# Allegro board 8880F5-0825_4.brd (continued)
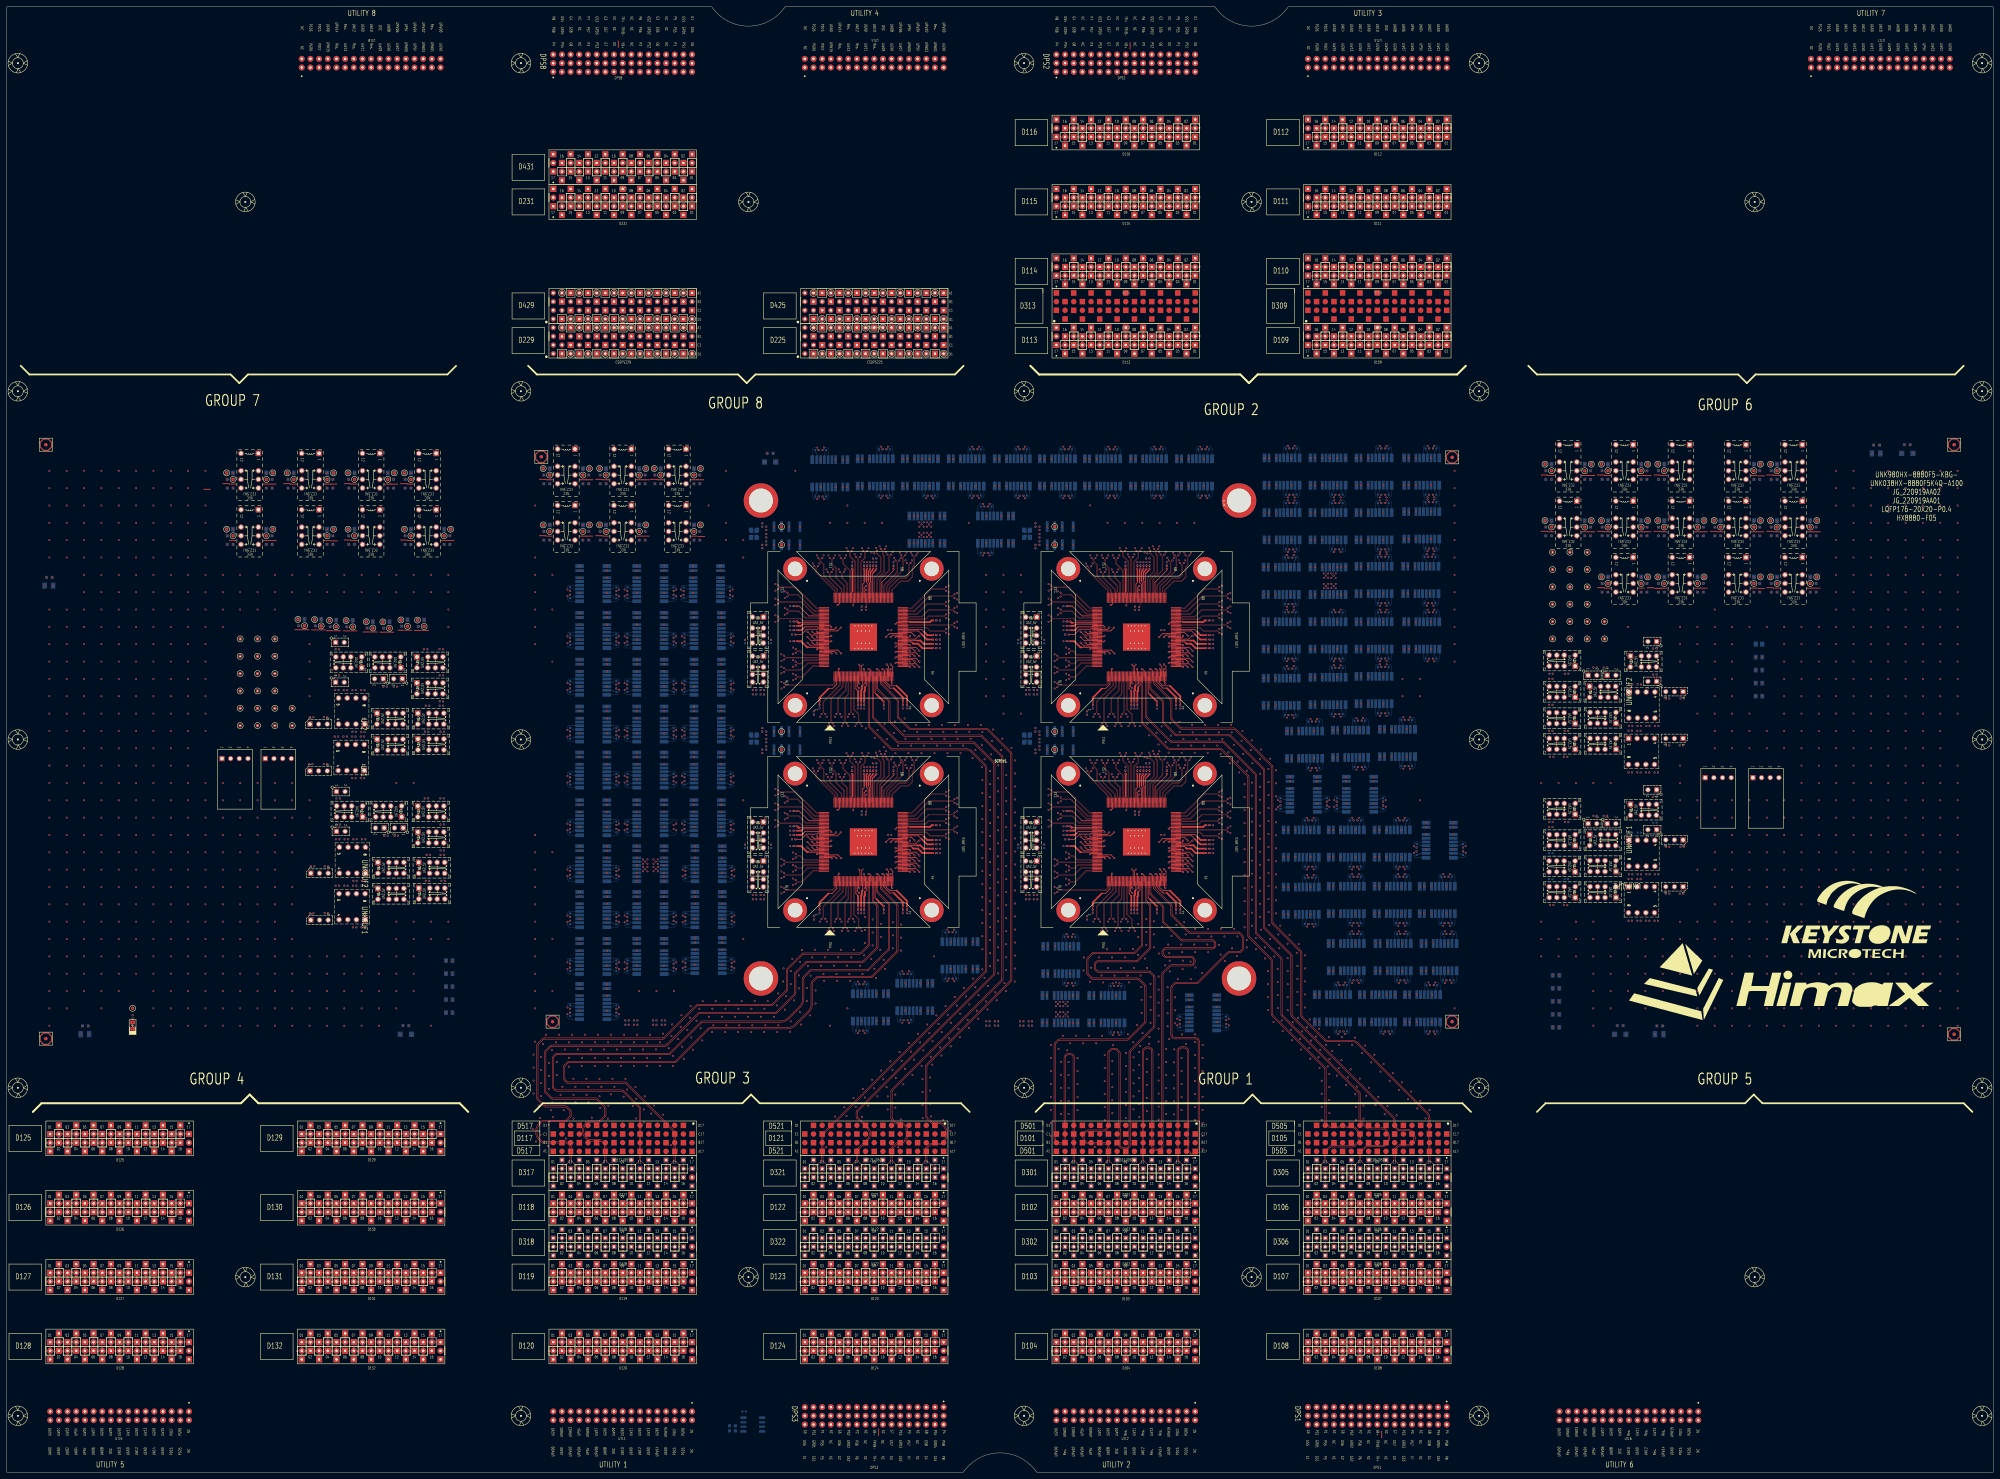
[diagram p0: board, top side]
## Routing (per net, layer and track width the routed paths; a pad name or vN(x,y) marks a point on that pad's centre or on a via; arc(x,y) is an arc through that point) (continued)
S2_ISP00-: length 15.9
  TOP w0.086: SITE2.74 343.98,247.63 344.06,247.55 349.41,247.55 350.39,246.57 354.62,246.57 v1(355.08,247.02)
  BOTTOM w0.119: v1(386.29,262.63) UNK2K43.2
S2_ISP14+: length 14.5
  TOP w0.086: SITE2.112 330.23,257.78 330.15,257.86 330.15,266.59 331.48,267.92 331.48,269.45 v1(331.93,269.9)
  vias: v1(390.69,257.11)
S2_ISP14-: length 14.5
  TOP w0.086: SITE2.113 329.83,257.78 329.91,257.86 329.91,266.69 331.24,268.02 331.24,269.45 v1(330.79,269.9)
  vias: v1(390.69,265.11)
S2_ISP_1LOCK:
  vias: v1(309.91,245.39)
S2_M_DPS_F_001: length 45.2
  TOP w0.231: 340.57,230.37 338.54,230.37 337.43,231.49 SITE2.39 ; SITE2.147 313.7,247.63 313.24,247.18 ; 346.49,243.63 SITE2.64 ; SITE2.104 333.43,263.21 ; 330.63,230.54 SITE2.22
  TOP w0.381: v1(334.61,264.54) 334.61,264.39 333.43,263.21
  TOP w0.508: 313.24,247.18 312.72,246.66 v1(311.44,246.66) ; v1(330.17,225.75) 330.17,228.96 330.38,229.17 330.38,230.28 330.63,230.54 ; 346.49,243.63 347.49,243.63 348.48,242.64 v1(351.22,242.64) ; 340.57,230.37 343.63,227.31 v1(343.63,225.75)
  vias: v1(309.4,246.66) v1(330.17,223.71) v1(334.61,266.58) v1(343.63,223.71) v1(353.27,242.64) v1(485.35,295.27) v1(485.35,293.37)
S2_OLVRX_100DCH001+: length 307.2
  TOP w0.086: SITE2.168 317.68,239.23 317.6,239.31 313.35,239.31 312.18,240.48 311.43,240.48 v1(310.98,240.03)
  L03_SIGNAL w0.071: v1(403.63,235.9) 403.22,235.9 403.15,235.83 403.15,234.96 403.44,234.67 404.82,234.67 405.38,235.22 405.38,238.63 414.01,247.27 416.67,247.27 441.71,272.31 441.71,330.85 430.85,341.71 411.64,341.71 409.06,339.13 409.06,335.16 411.48,332.74
  L28_SIGNAL w0.071: v1(310.98,240.03) 310.98,240.43 311.05,240.51 315.4,240.51 316.46,239.45 317.98,239.45 319.1,240.56 319.1,248.3 322.15,251.35 348.4,251.35 353.82,256.77 355.88,256.77 362.99,263.88 395.96,263.88 401.16,258.69 401.16,234.53 401.73,233.95 402.72,233.95 403.15,234.38 403.15,235.83 403.22,235.9 v1(403.63,235.9)
S2_OLVRX_100DCH001-: length 308.2
  TOP w0.086: v1(310.98,241.18) 311.43,240.72 312.28,240.72 313.45,239.55 317.6,239.55 317.68,239.63 SITE2.167
  L03_SIGNAL w0.071: v1(402.48,235.9) 402.88,235.9 402.95,235.83 402.95,234.87 403.36,234.47 404.9,234.47 405.58,235.14 405.58,238.55 414.1,247.07 416.75,247.07 441.91,272.23 441.91,330.93 430.93,341.91 411.55,341.91 408.86,339.22 408.86,335.2 406.4,332.74
  L28_SIGNAL w0.071: v1(402.48,235.9) 402.88,235.9 402.95,235.83 402.95,234.46 402.64,234.15 401.82,234.15 401.35,234.61 401.35,258.77 396.04,264.08 362.91,264.08 355.8,256.97 353.74,256.97 348.32,251.55 322.07,251.55 318.9,248.38 318.9,240.64 317.9,239.64 316.54,239.64 315.48,240.7 311.05,240.7 310.98,240.77 v1(310.98,241.18)
S2_OLVRX_100DCH002+: length 329
  TOP w0.086: v1(307.59,238.06) 308.05,238.51 317.6,238.51 317.68,238.43 SITE2.170
  L03_SIGNAL w0.071: 419.1,350.52 416.79,348.21 416.79,346.3 417.92,345.17 431.56,345.17 444.39,332.34 444.39,271.3 407.64,234.55 407.64,227.97 403.15,223.49 403.15,222.39 403.22,222.31 v1(403.63,222.31)
  L28_SIGNAL w0.071: v1(403.63,222.31) 403.22,222.31 403.15,222.24 403.15,220.94 402.49,220.28 401.39,220.28 400.17,221.5 400.17,257.48 396.59,261.06 366.56,261.06 360.06,254.55 357.37,254.55 356.1,255.83 354.27,255.83 348.8,250.36 322.8,250.36 320.18,247.73 320.18,240.04 318.66,238.53 307.67,238.53 307.59,238.46 v1(307.59,238.06)
S2_OLVRX_100DCH002-: length 328.8
  TOP w0.086: SITE2.169 317.68,238.83 317.6,238.75 308.05,238.75 v1(307.59,239.2)
  L03_SIGNAL w0.071: v1(402.48,222.31) 402.88,222.31 402.95,222.39 402.95,223.57 407.44,228.05 407.44,234.63 444.19,271.38 444.19,332.26 431.48,344.97 417.83,344.97 416.59,346.22 416.59,347.95 414.02,350.52
  L28_SIGNAL w0.071: v1(307.59,239.2) 307.59,238.8 307.67,238.73 318.58,238.73 319.98,240.13 319.98,247.81 322.72,250.56 348.71,250.56 354.19,256.03 356.18,256.03 357.45,254.75 359.98,254.75 366.48,261.26 396.67,261.26 400.37,257.56 400.37,221.59 401.47,220.48 402.41,220.48 402.95,221.02 402.95,222.24 402.88,222.31 v1(402.48,222.31)
S2_OLVRX_100DCH003+: length 355.6
  TOP w0.086: SITE2.172 317.68,237.63 317.6,237.71 313.62,237.71 312.68,236.77 311.43,236.77 v1(310.98,236.32)
  L03_SIGNAL w0.071: 401.32,332.74 398.89,335.17 398.89,338.54 395.9,341.54 377.38,341.54 374.36,338.52 374.36,315.23 379.79,309.8 379.79,219.15 381.01,217.94 382.04,217.94 382.83,218.73 382.83,219.83 382.9,219.9 v1(383.31,219.9)
  L28_SIGNAL w0.071: v1(383.31,219.9) 382.9,219.9 382.83,219.83 382.83,218.62 386.49,214.97 386.49,205.2 390.26,201.43 395.53,201.43 399.18,205.08 399.18,252.01 393.21,257.98 366.48,257.98 359.19,250.69 356.9,250.69 356.46,251.13 356.46,252.01 356.07,252.4 352.24,252.4 349.29,249.46 327.88,249.46 325.63,247.2 325.63,239.45 322.97,236.79 311.05,236.79 310.98,236.72 v1(310.98,236.32)
S2_OLVRX_100DCH003-: length 355.2
  TOP w0.086: SITE2.171 317.68,238.03 317.6,237.95 313.52,237.95 312.58,237.01 311.43,237.01 v1(310.98,237.46)
  L03_SIGNAL w0.071: 396.24,332.74 398.69,335.19 398.69,338.46 395.81,341.34 377.47,341.34 374.56,338.44 374.56,315.31 379.99,309.88 379.99,219.24 381.09,218.14 381.96,218.14 382.63,218.81 382.63,219.83 382.56,219.9 v1(382.16,219.9)
  L28_SIGNAL w0.071: v1(382.16,219.9) 382.56,219.9 382.63,219.83 382.63,218.54 386.29,214.88 386.29,205.12 390.18,201.23 395.61,201.23 399.37,204.99 399.37,252.1 393.29,258.18 366.4,258.18 359.11,250.89 356.98,250.89 356.66,251.21 356.66,252.09 356.15,252.6 352.16,252.6 349.21,249.65 327.8,249.65 325.43,247.28 325.43,239.53 322.89,236.99 311.05,236.99 310.98,237.06 v1(310.98,237.46)
S2_OLVRX_100DCH004+: length 388
  TOP w0.086: SITE2.174 317.68,236.83 317.6,236.91 314.63,236.91 312.6,234.88 308.05,234.88 v1(307.59,234.42)
  L03_SIGNAL w0.071: 421.64,353.06 419.15,355.55 419.15,357.74 422.76,361.34 430.34,361.34 447.17,344.51 447.17,239.26 412.69,204.78 396.97,204.78 396.3,205.46 396.3,206.49 396.37,206.57 v1(396.77,206.57)
  L28_SIGNAL w0.071: v1(307.59,234.42) 307.59,234.83 307.67,234.9 321.92,234.9 322.7,234.12 324.62,234.12 327.11,236.6 327.11,243.56 328.96,245.41 334.67,245.41 337.13,247.87 339.25,247.87 340.14,246.99 347.55,246.99 349.01,248.45 355.6,248.45 356.94,249.79 362.84,249.79 368.43,255.38 392.87,255.38 397.93,250.32 397.93,214.02 393.57,209.67 393.57,204.06 394.05,203.59 395.67,203.59 396.3,204.21 396.3,206.49 396.37,206.57 v1(396.77,206.57)
S2_OLVRX_100DCH004-: length 389
  TOP w0.086: SITE2.173 317.68,237.23 317.6,237.15 314.53,237.15 312.5,235.12 308.05,235.12 v1(307.59,235.57)
  L03_SIGNAL w0.071: v1(395.62,206.57) 396.03,206.57 396.1,206.49 396.1,205.37 396.88,204.59 412.78,204.59 447.37,239.18 447.37,344.6 430.42,361.54 422.68,361.54 418.96,357.82 418.96,355.46 416.56,353.06
  L28_SIGNAL w0.071: v1(395.62,206.57) 396.03,206.57 396.1,206.49 396.1,204.29 395.59,203.79 394.13,203.79 393.77,204.14 393.77,209.59 398.13,213.94 398.13,250.41 392.96,255.58 368.35,255.58 362.75,249.99 356.86,249.99 355.52,248.65 348.93,248.65 347.47,247.18 340.22,247.18 339.34,248.07 337.05,248.07 334.59,245.61 328.88,245.61 326.91,243.64 326.91,236.69 324.54,234.32 322.79,234.32 322.01,235.1 307.67,235.1 307.59,235.17 v1(307.59,235.57)
S2_OLVRX_100DCH005+: length 253.9
  TOP w0.086: v1(310.98,232.38) 311.43,232.83 312.94,232.83 316.22,236.11 317.6,236.11 317.68,236.03 SITE2.176
  L03_SIGNAL w0.071: v1(383.31,206.31) 382.9,206.31 382.83,206.38 382.83,207.22 387.68,212.07 387.68,226.81 397.74,236.88 397.74,257.5 415.51,275.26 415.51,302.9 406.52,311.89 406.52,327.78 408.94,330.2
  L28_SIGNAL w0.071: v1(310.98,232.38) 310.98,232.78 310.91,232.85 306.28,232.85 305.12,231.69 305.12,222.51 315.23,212.4 341.8,212.4 342.4,211.81 362.9,211.81 366.73,207.97 382.25,207.97 382.83,207.38 382.83,206.38 382.9,206.31 v1(383.31,206.31)
S2_OLVRX_100DCH005-: length 254.3
  TOP w0.086: v1(310.98,233.52) 311.43,233.07 312.84,233.07 316.12,236.35 317.6,236.35 317.68,236.43 SITE2.175
  L03_SIGNAL w0.071: 403.86,330.2 406.32,327.74 406.32,311.81 415.31,302.82 415.31,275.34 397.55,257.58 397.55,236.96 387.48,226.89 387.48,212.15 382.63,207.3 382.63,206.38 382.56,206.31 v1(382.16,206.31)
  L28_SIGNAL w0.071: v1(382.16,206.31) 382.56,206.31 382.63,206.38 382.63,207.3 382.16,207.77 366.65,207.77 362.82,211.61 342.31,211.61 341.72,212.2 315.14,212.2 304.92,222.43 304.92,231.77 306.2,233.05 310.91,233.05 310.98,233.12 v1(310.98,233.52)
S2_OLVRX_100DCH006+: length 315.1
  TOP w0.086: v1(307.59,229.94) 308.05,230.39 321.9,230.39 322.55,231.04 322.55,231.4 322.63,231.48 SITE2.2
  L03_SIGNAL w0.071: v1(396.77,220.15) 396.37,220.15 396.3,220.08 396.3,219.31 396.79,218.82 398.55,218.82 400.47,220.74 400.47,243.37 418.46,261.37 424.08,261.37 438.94,276.23 438.94,326.34 426.54,338.75 420.77,338.75 419.25,337.22 419.25,335.13 421.64,332.74
  L28_SIGNAL w0.071: v1(307.59,229.94) 307.59,230.34 307.67,230.41 322.72,230.41 326.16,233.86 350.65,233.86 363.38,246.59 376.61,246.59 383.97,253.95 392.23,253.95 393.34,252.84 393.34,219.39 394.66,218.07 395.46,218.07 396.3,218.9 396.3,220.08 396.37,220.15 v1(396.77,220.15)
S2_OLVRX_100DCH006-: length 315.7
  TOP w0.086: SITE2.1 322.23,231.48 322.31,231.4 322.31,231.14 321.8,230.63 308.05,230.63 v1(307.59,231.08)
  L03_SIGNAL w0.071: v1(395.62,220.15) 396.03,220.15 396.1,220.08 396.1,219.23 396.71,218.62 398.63,218.62 400.66,220.65 400.66,243.29 418.55,261.17 424.16,261.17 439.14,276.15 439.14,326.42 426.62,338.94 420.69,338.94 419.05,337.31 419.05,335.23 416.56,332.74
  L28_SIGNAL w0.071: v1(307.59,231.08) 307.59,230.68 307.67,230.61 322.63,230.61 326.08,234.06 350.57,234.06 363.3,246.79 376.53,246.79 383.89,254.15 392.31,254.15 393.54,252.92 393.54,219.47 394.74,218.26 395.38,218.26 396.1,218.98 396.1,220.08 396.03,220.15 v1(395.62,220.15)
S2_PS9G_DCH001: length 3.7
  TOP w0.231: SITE2.18 329.03,230.23 v1(329.63,229.63)
S2_PS9G_DCH002: length 2.2
  TOP w0.231: SITE2.19 329.43,231.23 v1(329.63,231.03)
S2_PS9G_DCH003: length 2.2
  TOP w0.231: SITE2.24 331.43,231.23 v1(331.23,231.03)
S2_PS9G_DCH004: length 2.2
  TOP w0.231: SITE2.40 337.83,235.03 v1(337.63,235.23)
S2_PS9G_DCH005: length 2.2
  TOP w0.231: SITE2.45 344.23,236.03 v1(344.43,235.83)
S2_PS9G_DCH006: length 3.7
  TOP w0.231: SITE2.46 345.23,236.43 v1(345.83,235.83)
S2_PS9G_DCH007: length 5.3
  TOP w0.231: v1(347.22,235.83) 346.22,236.83 SITE2.47
S2_PS9G_DCH009: length 2.2
  TOP w0.231: v1(344.43,237.43) 344.23,237.63 SITE2.49
S2_PS9G_DCH010: length 3.7
  TOP w0.231: v1(345.83,237.43) 345.23,238.03 SITE2.50
S2_PS9G_DCH011: length 5.3
  TOP w0.231: v1(347.22,237.43) 346.22,238.43 SITE2.51
S2_PS9G_DCH014: length 3.7
  TOP w0.231: v1(345.83,239.03) 345.23,239.63 SITE2.54
S2_PS9G_DCH015: length 5.3
  TOP w0.231: v1(347.22,239.03) 346.22,240.03 SITE2.55
S2_PS9G_DCH022: length 5.3
  TOP w0.231: v1(347.22,245.03) 347.05,245.03 346.05,244.03 SITE2.65
S2_PS9G_DCH023: length 2.5
  TOP w0.231: v1(344.43,245.03) 344.43,244.83 344.03,244.43 SITE2.66
S2_PS9G_DCH027: length 3.9
  TOP w0.231: v1(345.83,245.03) 344.83,246.03 SITE2.70
S2_PS9G_DCH028: length 2.3
  TOP w0.231: SITE2.77 340.6,248.83 v1(340.23,248.46)
S2_PS9G_DCH029: length 2.2
  TOP w0.119: SITE2.118 v1(327.83,253.92)
S2_PS9G_DCH030: length 9.2
  TOP w0.231: SITE2.148 317.62,247.23 317.3,246.91 314.16,246.91 312.63,245.39 v1(310.91,245.39)
S2_PS9G_DCH035: length 5.3
  TOP w0.231: SITE2.153 315.44,245.23 v1(314.43,246.23)
S2_PS9G_DCH036: length 2.2
  TOP w0.231: v1(321.43,245.03) 321.23,244.83 SITE2.154
S2_PS9G_DCH037: length 2.2
  TOP w0.231: SITE2.155 317.43,244.43 v1(317.23,244.63)
S2_PS9G_DCH038: length 3.7
  TOP w0.231: SITE2.156 316.43,244.03 v1(315.83,244.63)
S2_PS9G_DCH039: length 5.3
  TOP w0.231: SITE2.157 315.44,243.63 v1(314.43,244.63)
S2_PS9G_DCH040: length 2.2
  TOP w0.231: SITE2.158 321.23,243.23 v1(321.43,243.43)
S2_RLY_001:
  vias: v1(410.52,289.12) v1(410.52,273.37)
S2_RLY_003:
  vias: v1(369.63,273.11) v1(396.55,241.11)
S2_RLY_005:
  vias: v1(396.55,273.11) v1(396.55,257.37)
S2_RLY_007:
  vias: v1(383.09,273.11)
S2_RLY_008:
  vias: v1(383.09,289.12) v1(410.27,257.37)
S2_RLY_016:
  vias: v1(369.38,257.11) v1(369.63,289.12)
S2_RLY_018:
  vias: v1(312.25,276.97)
S2_RLY_021:
  vias: v1(369.38,241.11) v1(396.55,289.12)
S2_RLY_022:
  vias: v1(369.38,224.6) v1(383.09,241.11)
S2_RLY_023:
  vias: v1(383.09,224.85)
S2_RLY_025:
  vias: v1(376.23,209.11) v1(396.55,225.11)
S2_RLY_026:
  vias: v1(389.7,209.36)
S2_RLY_030:
  vias: v1(410.52,241.11)
S2_RLY_043:
  vias: v1(383.09,257.11)
S2_SCAN_DCH008: length 2.2
  TOP w0.231: SITE2.48 340.43,237.23 v1(340.23,237.03)
S2_SCAN_DCH012: length 2.2
  TOP w0.231: SITE2.52 340.43,238.83 v1(340.23,238.63)
S2_SCAN_DCH013: length 2.2
  TOP w0.231: v1(344.43,239.03) 344.23,239.23 SITE2.53
S2_SCAN_DCH016: length 2.2
  TOP w0.231: SITE2.56 340.43,240.43 v1(340.23,240.23)
S2_SCAN_DCH017: length 2.2
  TOP w0.231: v1(344.43,240.63) 344.23,240.83 SITE2.57
S2_SCAN_DCH018: length 3.7
  TOP w0.231: SITE2.58 345.23,241.23 v1(345.83,240.63)
S2_SCAN_DCH019: length 5.3
  TOP w0.231: v1(347.22,240.63) 346.22,241.63 SITE2.59
S2_SCAN_DCH020: length 2.2
  TOP w0.231: v1(340.23,241.83) 340.43,242.03 SITE2.60
S2_SCAN_DCH021: length 2.2
  TOP w0.231: SITE2.61 344.23,242.43 v1(344.43,242.23)
S2_SCAN_DCH024: length 2.2
  TOP w0.231: SITE2.67 340.43,244.83 v1(340.23,244.63)
S2_SCAN_DCH025: length 3.7
  TOP w0.231: SITE2.68 339.43,245.23 v1(338.83,244.63)
S2_SCAN_DCH026: length 5.3
  TOP w0.231: v1(337.44,244.63) 338.44,245.63 SITE2.69
S2_SCAN_DCH031: length 3.7
  TOP w0.231: SITE2.149 322.23,246.83 v1(322.83,247.43)
S2_SCAN_DCH032: length 5.3
  TOP w0.231: v1(324.22,247.43) 323.22,246.43 SITE2.150
S2_SCAN_DCH033: length 2.2
  TOP w0.231: SITE2.151 317.43,246.03 v1(317.23,246.23)
S2_SCAN_DCH034: length 3.7
  TOP w0.231: SITE2.152 316.43,245.63 v1(315.83,246.23)
S2_SPI_1_CSN:
  vias: v1(474.99,230.78)
S2_SPI_1_SCK:
  vias: v1(480.07,218.59)
S2_SPI_1_SDI:
  vias: v1(456.19,217.17)
S2_SPI_1_SDO:
  vias: v1(455.94,209.55)
S2_SPI_2_CSN:
  vias: v1(475.87,217.23)
S2_SPI_2_SCK:
  vias: v1(479.97,204.98)
S2_SPI_2_SDI:
  vias: v1(451.62,217.17)
S2_SPI_2_SDO:
  vias: v1(451.87,209.55)
S2_SPI_11_SDI:
  vias: v1(457.19,217.17) v1(477.53,230.78)
S2_SPI_11_SDO:
  vias: v1(456.94,209.55) v1(482.61,218.59)
S2_SPI_22_SDI:
  vias: v1(452.62,217.17) v1(477.43,217.17)
S2_SPI_22_SDO:
  vias: v1(452.87,209.55) v1(482.51,204.98)
S2_SPI_CSN: length 2.2
  TOP w0.231: SITE2.43 339.03,231.23 v1(339.23,231.03)
S2_SPI_SCK: length 2.2
  TOP w0.231: SITE2.42 338.63,235.03 v1(338.83,235.23)
S2_SPI_SDI: length 3.7
  TOP w0.231: SITE2.44 339.43,236.03 v1(338.83,236.63)
S2_SPI_SDO: length 3.7
  TOP w0.231: v1(337.63,236.63) 338.23,236.03 SITE2.41
S2_XTAL_IN: length 2.5
  TOP w0.119: SITE2.109 331.43,258.31 v1(331.63,258.51)
S2_XTAL_OUT: length 3.7
  TOP w0.231: v1(331.63,259.63) 331.03,259.03 SITE2.110
S3_1AUX+:
  vias: v1(221.73,169.11)
S3_1AUX-:
  vias: v1(218.45,169.11)
S3_1TX_100DCH001+: length 2.5
  BOTTOM w0.119: v1(186.95,176.66) UNK3K43.6
  vias: v1(276.97,144.59)
S3_1TX_100DCH001-: length 2.5
  BOTTOM w0.119: v1(189.99,176.66) UNK3K43.3
  vias: v1(275.82,144.59)
S3_1TX_100DCH002+: length 15.4
  TOP w0.086: SITE3.75 263.98,188.03 264.06,188.11 277.07,188.11 v1(277.52,187.66)
  vias: v1(276.97,158.18)
S3_1TX_100DCH002-: length 15.4
  TOP w0.086: v1(277.52,188.8) 277.07,188.35 264.06,188.35 263.98,188.43 SITE3.76
  vias: v1(275.82,158.18)
S3_1TX_100DCH003+: length 13.3
  TOP w0.086: SITE3.79 263.98,189.63 264.06,189.71 269.05,189.71 269.94,190.59 274.62,190.59 v1(275.08,190.14)
  vias: v1(250.81,129.35)
S3_1TX_100DCH003-: length 13.3
  TOP w0.086: SITE3.80 263.98,190.03 264.06,189.95 268.95,189.95 269.84,190.83 274.62,190.83 v1(275.08,191.28)
  vias: v1(249.66,129.35)
S3_1TX_100DCH004+: length 16.2
  TOP w0.086: SITE3.81 263.98,190.43 264.06,190.51 267.99,190.51 270.02,192.53 277.07,192.53 v1(277.52,192.08)
  vias: v1(250.81,142.94)
S3_1TX_100DCH004-: length 16.2
  TOP w0.086: v1(277.52,193.22) 277.07,192.77 269.92,192.77 267.9,190.75 264.06,190.75 263.98,190.83 SITE3.82
  vias: v1(249.66,142.94)
S3_1TX_100DCH005+: length 14.2
  TOP w0.086: v1(275.08,193.77) 274.62,194.22 269.53,194.22 266.61,191.31 264.06,191.31 263.98,191.23 SITE3.83
  vias: v1(263.76,132.4)
S3_1TX_100DCH005-: length 14.2
  TOP w0.086: SITE3.84 263.98,191.63 264.06,191.55 266.51,191.55 269.43,194.46 274.62,194.46 v1(275.08,194.92)
  vias: v1(262.62,132.4)
S3_1TX_100DCH006+: length 17.2
  TOP w0.086: v1(277.52,196.03) 277.07,196.49 270.12,196.49 265.74,192.11 264.06,192.11 263.98,192.03 SITE3.85
  vias: v1(263.76,145.99)
S3_1TX_100DCH006-: length 17.2
  TOP w0.086: SITE3.86 263.98,192.43 264.06,192.35 265.64,192.35 270.02,196.73 277.07,196.73 v1(277.52,197.18)
  vias: v1(262.62,145.99)
S3_1TX_100DCH007+: length 15.3
  TOP w0.086: SITE3.87 263.98,192.83 264.06,192.91 264.96,192.91 270.67,198.62 274.62,198.62 v1(275.08,198.17)
  vias: v1(178.5,176.13)
S3_1TX_100DCH007-: length 15.3
  TOP w0.086: v1(275.08,199.31) 274.62,198.86 270.57,198.86 264.86,193.15 264.06,193.15 263.98,193.23 SITE3.88
  vias: v1(178.5,174.99)
S3_2AUX+:
  vias: v1(192.78,132.33) v1(192.78,131.06) v1(220.73,169.11) v1(220.73,167.84)
S3_2AUX-:
  vias: v1(189.24,131.06) v1(190.24,132.33) v1(219.45,169.11) v1(219.45,167.84)
S3_2TX_100DCH001+: length 16.7
  TOP w0.086: SITE3.89 259.43,197.78 259.35,197.86 259.35,198.44 261.74,200.83 263.95,200.83 265.31,202.18 265.31,205.07 265.87,205.63 265.87,208.15 v1(266.32,208.6)
  vias: v1(164.91,176.13)
S3_2TX_100DCH001-: length 16.7
  TOP w0.086: SITE3.90 259.03,197.78 259.11,197.86 259.11,198.54 261.64,201.07 263.85,201.07 265.07,202.28 265.07,205.17 265.63,205.73 265.63,208.15 v1(265.18,208.6)
  vias: v1(164.91,174.99)
S3_2TX_100DCH002+: length 13.9
  TOP w0.086: v1(264.67,206.34) 264.22,205.88 264.22,202.77 263.16,201.72 261.27,201.72 258.55,199 258.55,197.86 258.63,197.78 SITE3.91
  vias: v1(195.26,217.02)
S3_2TX_100DCH002-: length 13.9
  TOP w0.086: v1(263.52,206.34) 263.98,205.88 263.98,202.87 263.07,201.96 261.17,201.96 258.31,199.1 258.31,197.86 258.23,197.78 SITE3.92
  vias: v1(195.26,215.88)
S3_2TX_100DCH003+: length 14.7
  TOP w0.086: SITE3.93 257.83,197.78 257.75,197.86 257.75,199.44 262.61,204.3 262.61,208.15 v1(263.07,208.6)
  vias: v1(181.67,217.02)
S3_2TX_100DCH003-: length 14.7
  TOP w0.086: v1(261.92,208.6) 262.37,208.15 262.37,204.4 257.51,199.54 257.51,197.86 257.43,197.78 SITE3.94
  vias: v1(181.67,215.88)
S3_2TX_100DCH004+: length 12.8
  TOP w0.086: v1(261.36,207.09) 260.9,206.64 260.9,203.67 256.95,199.72 256.95,197.86 257.03,197.78 SITE3.95
  vias: v1(212.03,217.02)
S3_2TX_100DCH004-: length 12.8
  TOP w0.086: v1(260.21,207.09) 260.67,206.64 260.67,203.77 256.71,199.82 256.71,197.86 256.63,197.78 SITE3.96
  vias: v1(212.03,215.88)
S3_2TX_100DCH005+: length 14.1
  TOP w0.086: SITE3.98 255.83,197.78 255.75,197.86 255.75,201.37 258.54,204.15 258.54,208.38 v1(258.99,208.83)
  vias: v1(198.44,217.02)
S3_2TX_100DCH005-: length 14.1
  TOP w0.086: SITE3.99 255.43,197.78 255.51,197.86 255.51,201.47 258.3,204.25 258.3,208.38 v1(257.84,208.83)
  vias: v1(198.44,215.88)
S3_2TX_100DCH006+: length 15.6
  TOP w0.086: v1(257.1,210.44) 256.65,209.99 256.65,208.9 257.04,208.51 257.04,203.68 254.95,201.59 254.95,197.86 255.03,197.78 SITE3.100
  vias: v1(195.26,203.56)
S3_2TX_100DCH006-: length 15.6
  TOP w0.086: v1(255.96,210.44) 256.41,209.99 256.41,208.8 256.8,208.41 256.8,203.78 254.71,201.69 254.71,197.86 254.63,197.78 SITE3.101
  vias: v1(195.26,202.42)
S3_2TX_100DCH007+: length 15.1
  TOP w0.086: SITE3.102 254.23,197.78 254.15,197.86 254.15,201.95 255.98,203.78 255.98,208.13 254.78,209.33 v1(254.78,209.97)
  vias: v1(181.67,203.56)
S3_2TX_100DCH007-: length 14.9
  TOP w0.086: v1(253.98,209.17) 254.61,209.17 255.74,208.03 255.74,203.88 253.91,202.05 253.91,197.86 253.83,197.78 SITE3.103
  vias: v1(181.67,202.42)
S3_3TX_100DCH002+: length 12.2
  TOP w0.086: v1(249.8,208.11) 249.35,207.66 249.35,197.86 249.43,197.78 SITE3.114
  vias: v1(181.67,189.59)
S3_3TX_100DCH002-: length 12.2
  TOP w0.086: v1(248.66,208.11) 249.11,207.66 249.11,197.86 249.03,197.78 SITE3.115
  vias: v1(181.67,188.45)
S3_3TX_100DCH003+: length 14.7
  TOP w0.086: v1(247.41,209.9) 246.96,209.45 246.96,208.41 248.55,206.82 248.55,197.86 248.63,197.78 SITE3.116
  vias: v1(178.5,203.56)
S3_3TX_100DCH003-: length 14.7
  TOP w0.086: SITE3.117 248.23,197.78 248.31,197.86 248.31,206.72 246.72,208.31 246.72,209.45 v1(246.26,209.9)
  vias: v1(178.5,202.42)
S3_3TX_100DCH004+: length 12.7
  TOP w0.086: SITE3.120 247.03,197.78 246.95,197.86 246.95,204.17 244.91,206.21 244.91,207.36 v1(245.36,207.81)
  vias: v1(164.91,203.56)
S3_3TX_100DCH004-: length 12.7
  TOP w0.086: SITE3.121 246.63,197.78 246.71,197.86 246.71,204.07 244.67,206.11 244.67,207.36 v1(244.22,207.81)
  vias: v1(164.91,202.42)
S3_3TX_100DCH005+: length 8.4
  TOP w0.086: SITE3.122 246.23,197.78 246.15,197.86 246.15,200.53 244.65,202.03 244.65,203.24 v1(245.11,203.69)
  vias: v1(212.03,203.56)
S3_3TX_100DCH005-: length 8.4
  TOP w0.086: SITE3.123 245.83,197.78 245.91,197.86 245.91,200.44 244.42,201.93 244.42,203.24 v1(243.96,203.69)
  vias: v1(212.03,202.42)
S3_3TX_100DCH006+: length 13.4
  TOP w0.086: v1(242.12,207.81) 241.66,207.36 241.66,206.13 242.87,204.93 242.87,202.13 245.35,199.65 245.35,197.86 245.43,197.78 SITE3.124
  vias: v1(198.44,203.56)
S3_3TX_100DCH006-: length 13.4
  TOP w0.086: SITE3.125 245.03,197.78 245.11,197.86 245.11,199.55 242.63,202.03 242.63,204.83 241.43,206.04 241.43,207.36 v1(240.97,207.81)
  vias: v1(198.44,202.42)
S3_3TX_100DCH007+: length 9.2
  TOP w0.086: v1(241.53,203.69) 241.08,203.24 241.08,202.2 244.55,198.73 244.55,197.86 244.63,197.78 SITE3.126
  vias: v1(178.5,189.59)
S3_3TX_100DCH007-: length 9.2
  TOP w0.086: v1(240.39,203.69) 240.84,203.24 240.84,202.1 244.31,198.63 244.31,197.86 244.23,197.78 SITE3.127
  vias: v1(178.5,188.45)
S3_4TX_100DCH001+: length 14
  TOP w0.086: v1(238.79,207.81) 238.34,207.36 238.34,206.89 239.3,205.93 239.3,202.62 243.35,198.57 243.35,197.86 243.43,197.78 SITE3.129
  vias: v1(164.91,189.59)
S3_4TX_100DCH001-: length 14
  TOP w0.086: SITE3.130 243.03,197.78 243.11,197.86 243.11,198.47 239.06,202.52 239.06,205.83 238.1,206.79 238.1,207.36 v1(237.64,207.81)
  vias: v1(164.91,188.45)
S3_4TX_100DCH002+: length 11.8
  TOP w0.086: v1(237.56,205.42) 237.11,204.97 237.11,203.7 242.55,198.26 242.55,197.86 242.63,197.78 SITE3.131
  vias: v1(212.03,189.59)
S3_4TX_100DCH002-: length 11.8
  TOP w0.086: SITE3.132 242.23,197.78 242.31,197.86 242.31,198.16 236.87,203.6 236.87,204.97 v1(236.42,205.42)
  vias: v1(212.03,188.45)
S3_4TX_100DCH003+: length 16.3
  TOP w0.086: SITE3.133 237.68,193.23 237.6,193.15 237.23,193.15 231.06,199.32 226.27,199.32 v1(225.81,199.77)
  vias: v1(198.44,189.59)
S3_4TX_100DCH003-: length 16.3
  TOP w0.086: v1(225.81,198.63) 226.27,199.08 230.96,199.08 237.13,192.91 237.6,192.91 237.68,192.83 SITE3.134
  vias: v1(198.44,188.45)
S3_4TX_100DCH004+: length 13
  TOP w0.086: SITE3.135 237.68,192.43 237.6,192.35 236.53,192.35 231.68,197.2 229.02,197.2 v1(228.57,197.65)
  vias: v1(178.5,162.67)
S3_4TX_100DCH004-: length 13
  TOP w0.086: SITE3.136 237.68,192.03 237.6,192.11 236.43,192.11 231.58,196.96 229.02,196.96 v1(228.57,196.51)
  vias: v1(178.5,161.52)
S3_4TX_100DCH005+: length 15.2
  TOP w0.086: v1(225.81,195.53) 226.27,195.08 232.64,195.08 236.17,191.55 237.6,191.55 237.68,191.63 SITE3.137
  vias: v1(164.91,162.67)
S3_4TX_100DCH005-: length 15.2
  TOP w0.086: v1(225.81,194.39) 226.27,194.84 232.55,194.84 236.07,191.31 237.6,191.31 237.68,191.23 SITE3.138
  vias: v1(164.91,161.52)
S3_4TX_100DCH006+: length 11.8
  TOP w0.086: v1(228.57,192.73) 229.02,192.28 232.03,192.28 233.96,190.35 237.6,190.35 237.68,190.43 SITE3.140
  vias: v1(178.5,148.95)
S3_4TX_100DCH006-: length 11.8
  TOP w0.086: SITE3.141 237.68,190.03 237.6,190.11 233.86,190.11 231.93,192.04 229.02,192.04 v1(228.57,191.59)
  vias: v1(178.5,147.81)
S3_4TX_100DCH007+: length 14
  TOP w0.086: SITE3.142 237.68,189.63 237.6,189.55 233.04,189.55 232.4,190.19 226.27,190.19 v1(225.81,190.64)
  vias: v1(164.91,148.95)
S3_4TX_100DCH007-: length 14
  TOP w0.086: SITE3.143 237.68,189.23 237.6,189.31 232.94,189.31 232.3,189.95 226.27,189.95 v1(225.81,189.49)
  vias: v1(164.91,147.81)
S3_AUX_100DCH002+:
  vias: v1(191.78,132.33)
S3_AUX_100DCH002-:
  vias: v1(189.24,132.33)
S3_AUXCH+: length 3.6
  TOP w0.203: SITE3.21 250.23,176.2 v2(250.6,176.57)
S3_AUXCH-: length 3.6
  TOP w0.203: SITE3.20 249.83,176.2 v2(249.46,176.57)
S3_AVDD11_RX: length 8.4
  TOP w0.231: 254.67,167.85 254.23,168.29 SITE3.31
  TOP w0.508: v1(256.77,165.75) 254.67,167.85
  vias: v1(118.32,276.23) v1(118.32,274.32) v1(256.77,163.71)
S3_AVDD11_XTAL: length 8.8
  TOP w0.231: SITE3.105 253.03,200.95 252.87,201.11 252.87,201.45
  TOP w0.381: 252.87,201.45 252.87,203.59 253.72,204.45 v1(253.72,204.54)
  vias: v1(93.77,276.23) v1(93.77,274.32) v1(253.72,206.58)
S3_AVDD18_RX: length 7.7
  TOP w0.231: 251.28,170.01 251.83,170.56 SITE3.25
  TOP w0.508: v1(251.06,165.75) 251.06,168.68 251.28,168.9 251.28,170.01
  vias: v1(128.06,276.23) v1(128.06,274.32) v1(251.06,163.71)
S3_DCH041: length 2.2
  TOP w0.231: v1(237.23,183.03) 237.43,182.83 SITE3.159
S3_DCH042: length 3.7
  TOP w0.231: SITE3.160 236.43,182.43 v1(235.83,183.03)
S3_DCH043: length 5.3
  TOP w0.231: v1(234.44,183.03) 235.44,182.03 SITE3.161